# Altium PCB WaterDepthAnalysisBoardv2.PcbDoc
Units mm, origin at the board's own origin, x right, y up, seen from the top; angles counter-clockwise.
Board outline 23.24 x 30.86 mm, 4 copper layers (Top Layer, GND, PWR, Bottom Layer), stack 0.603 mm thick; 48 components, 35 nets, 159 pads, 52 vias.
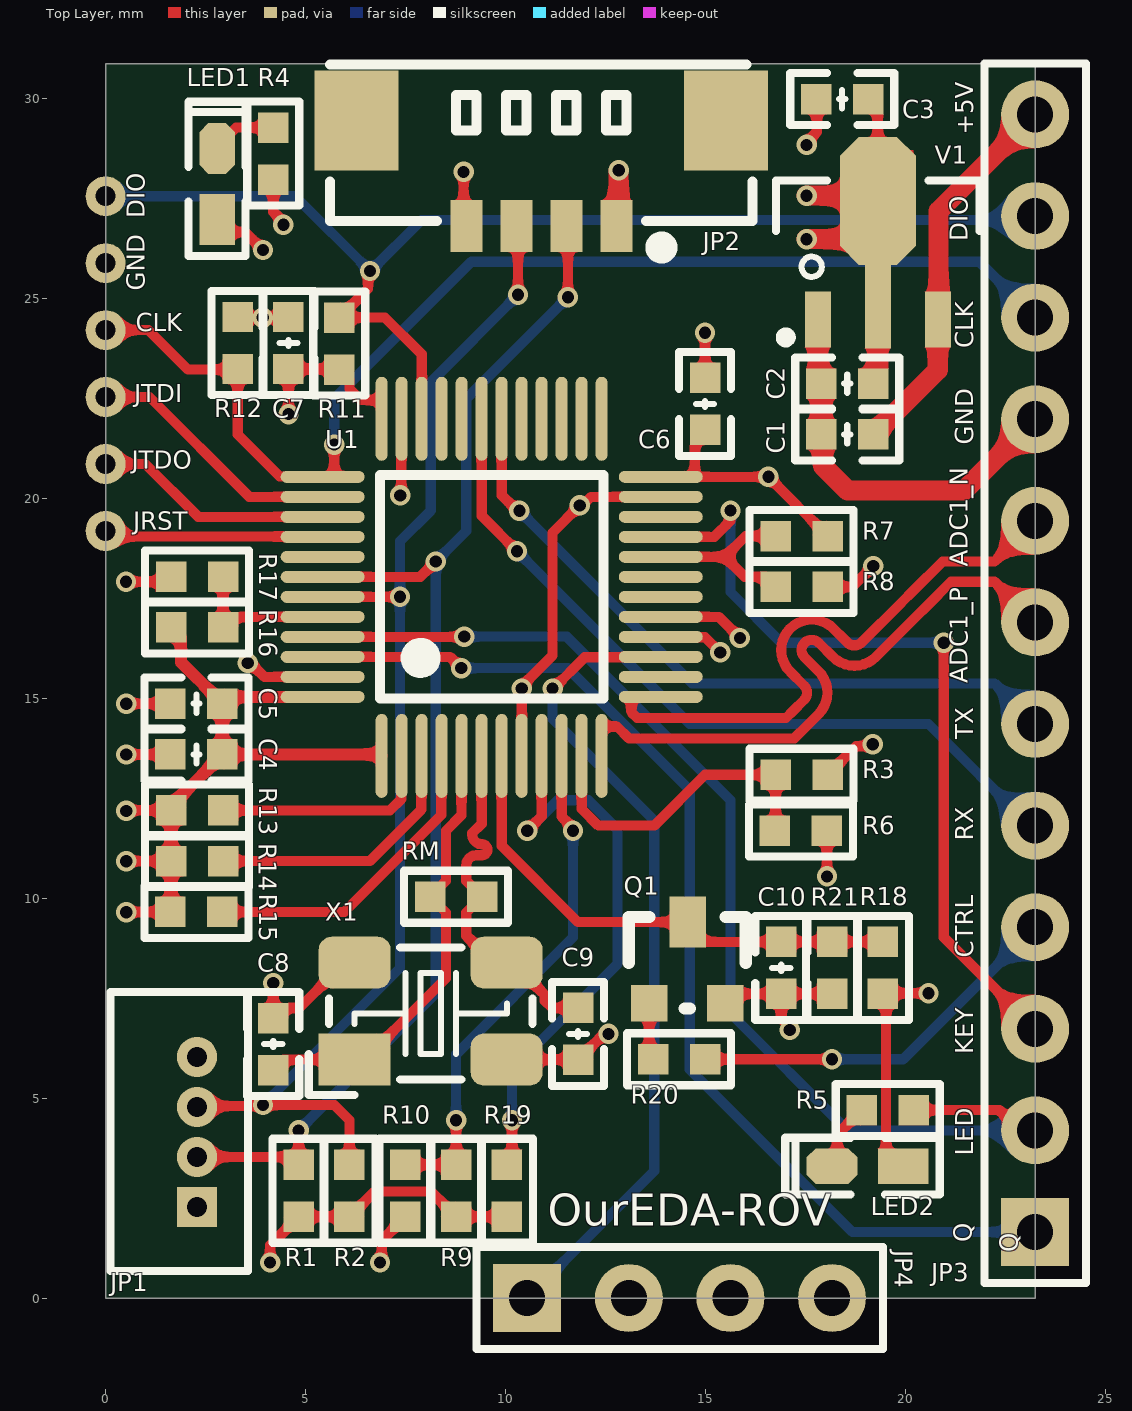
[diagram p0: Top Layer view]
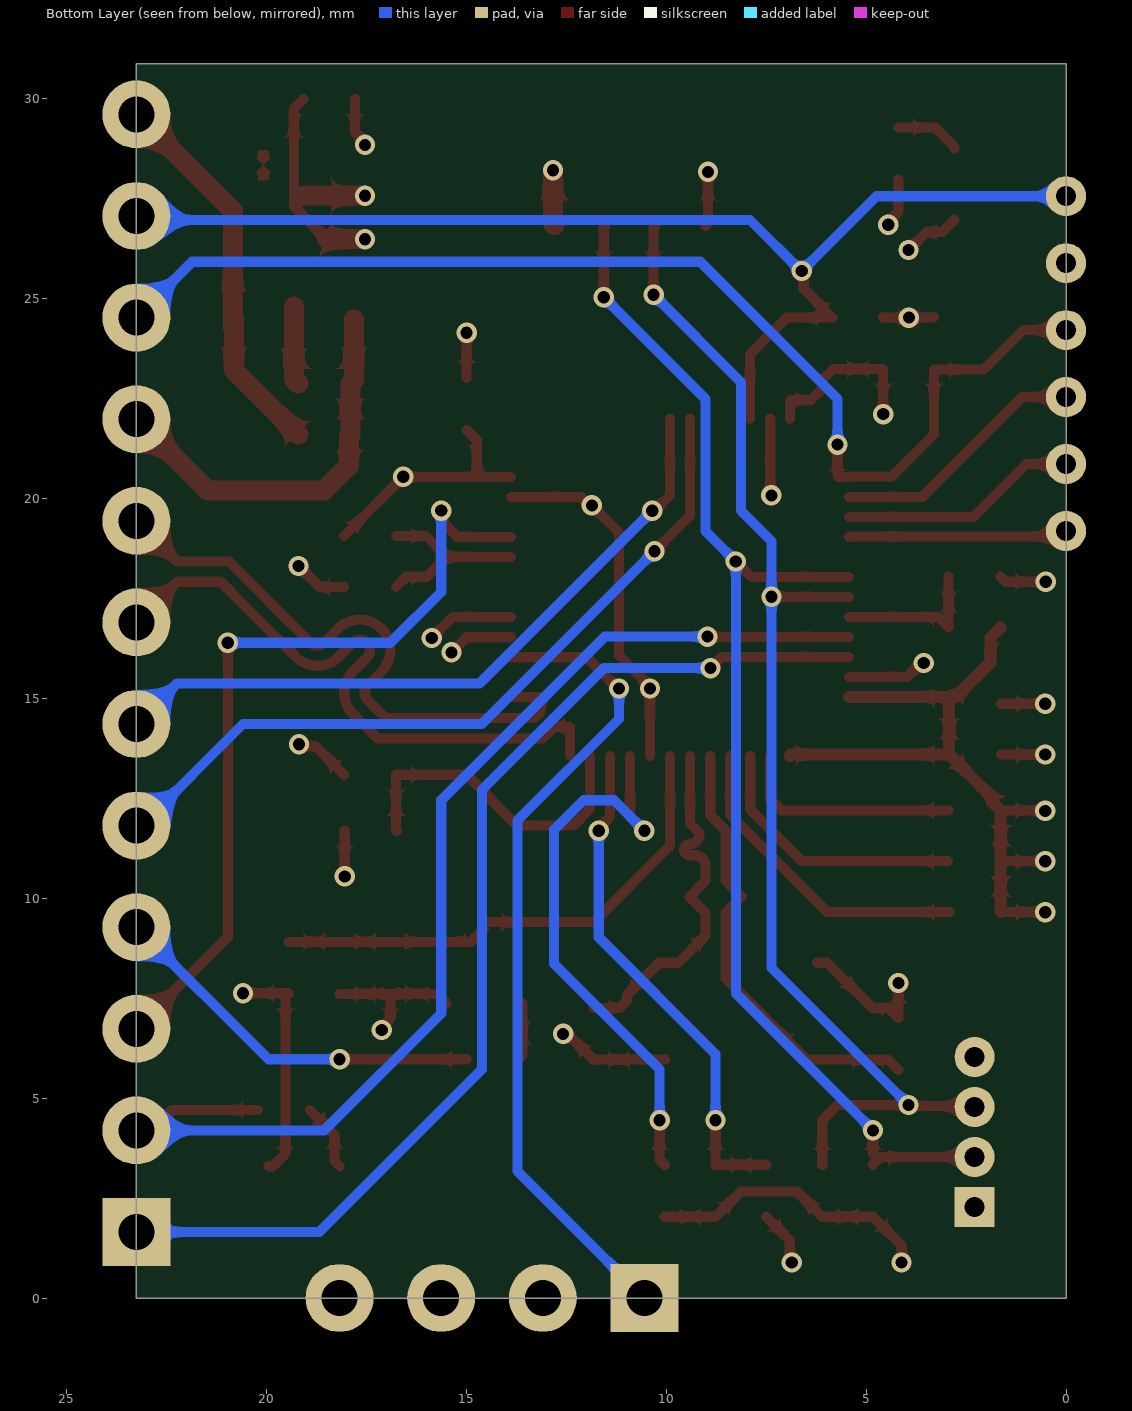
[diagram p1: Bottom Layer view, seen from below]
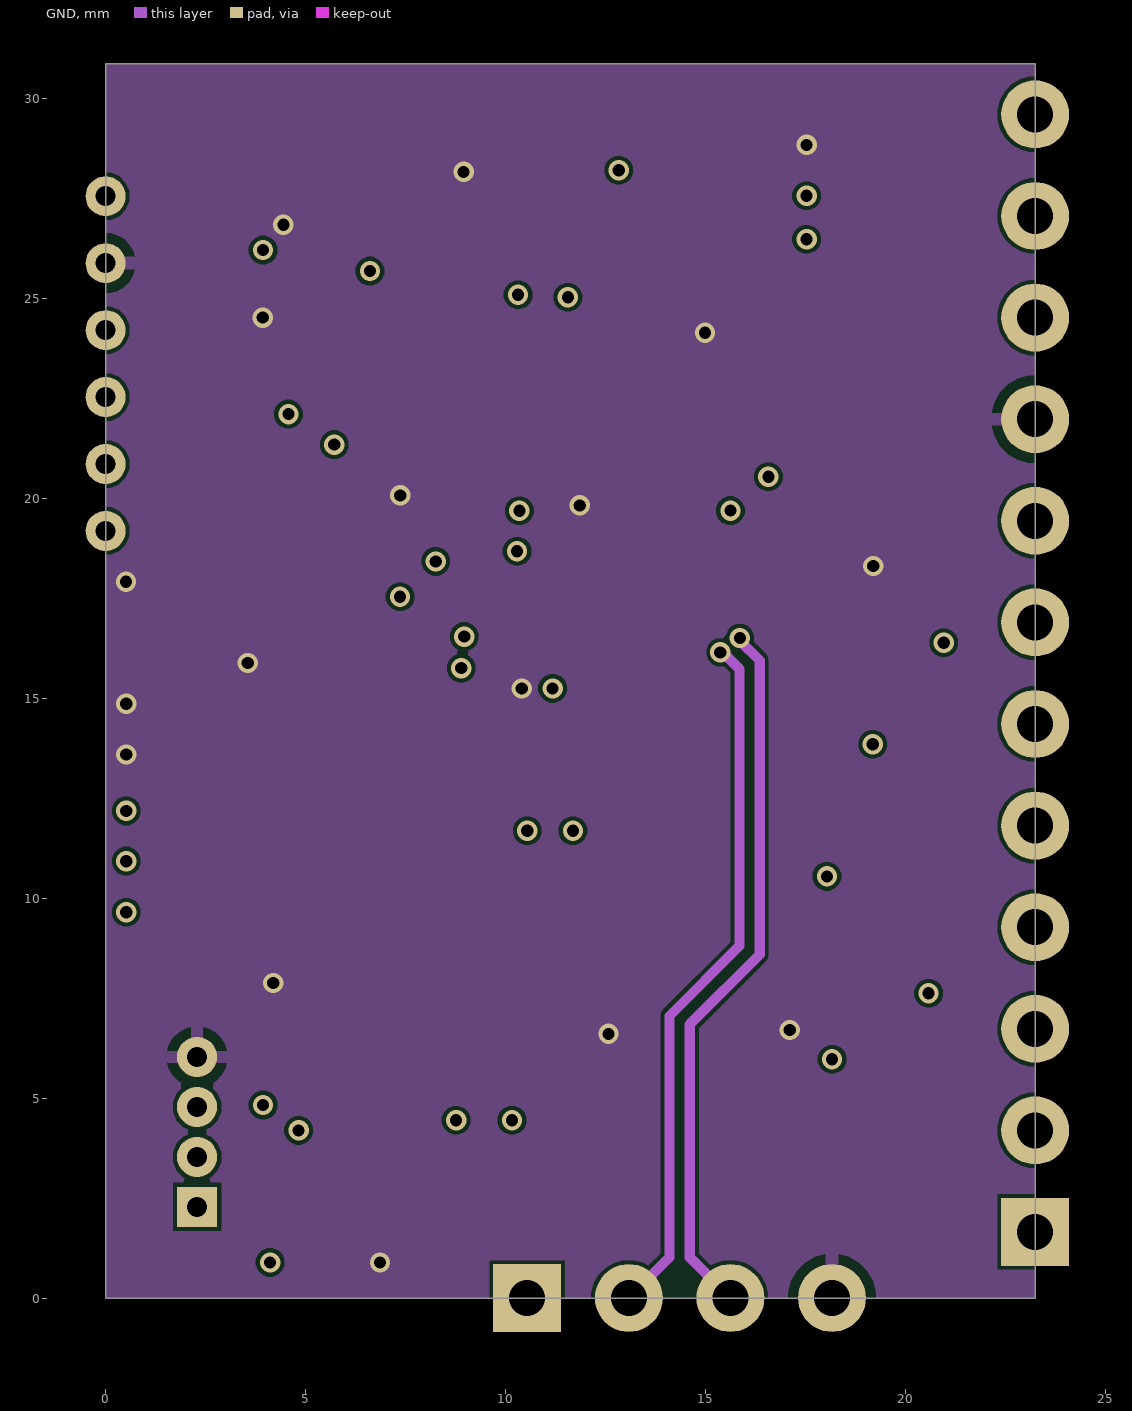
[diagram p2: GND]
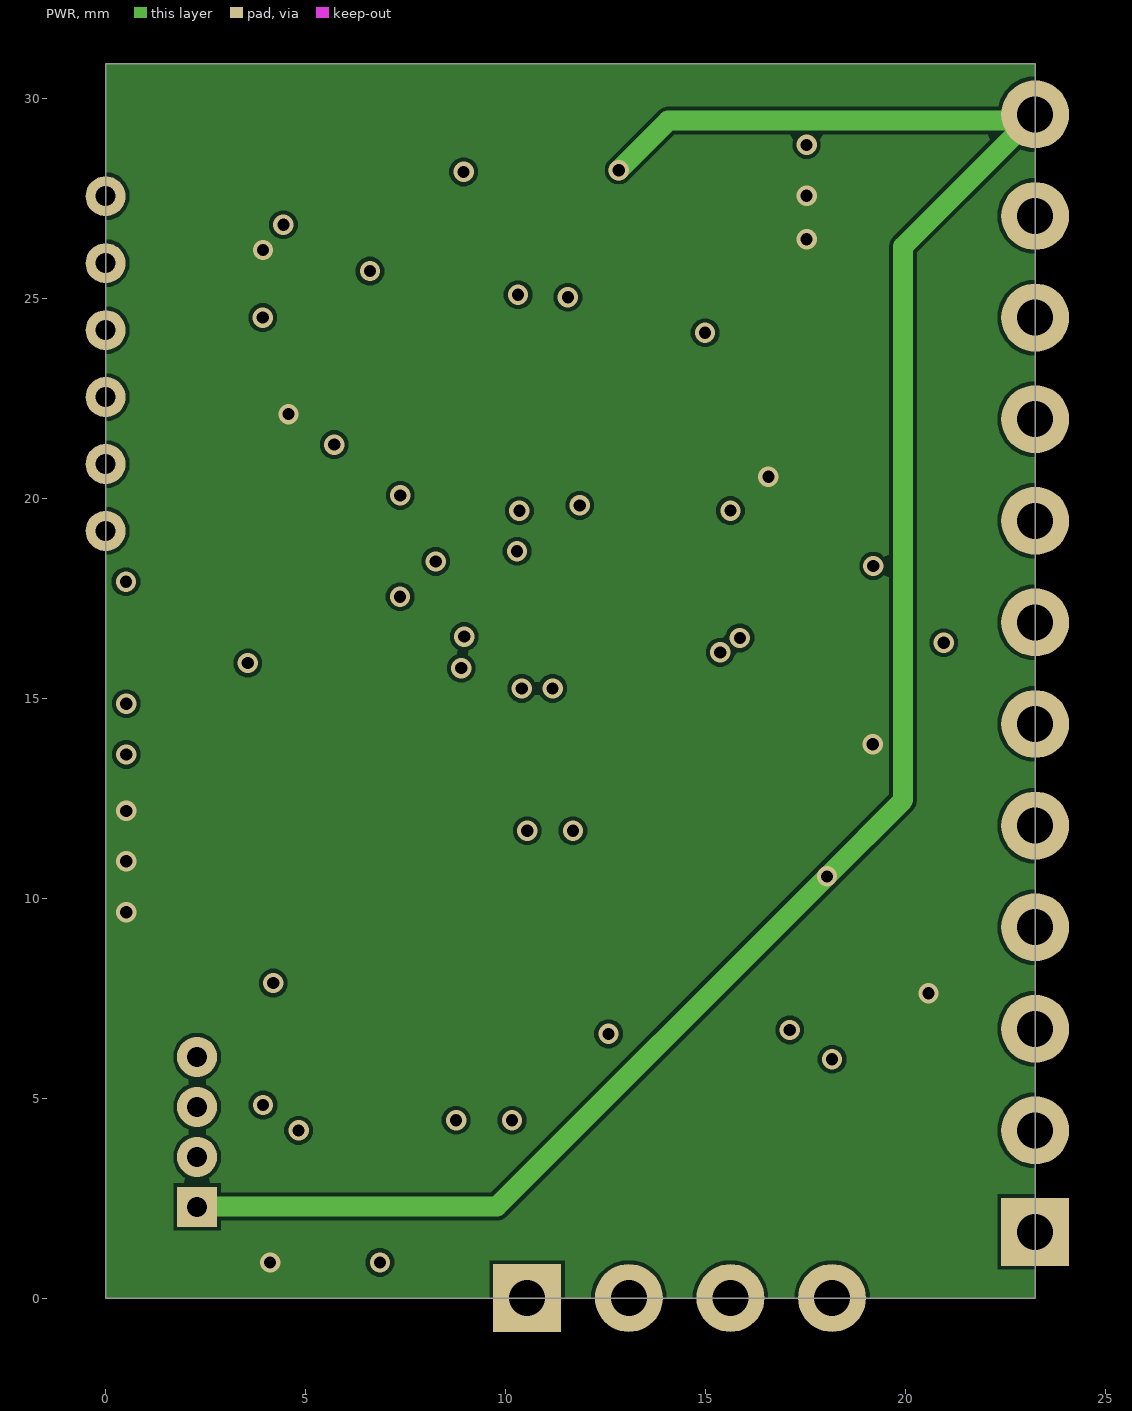
[diagram p3: PWR]

## Layer stack, top to bottom
Top Solder: solder mask 0.0102, Solder Resist, Dk 3.5
Top Layer: signal copper 0.0356
Dielectric 2: prepreg 0.0711, PP-006, Dk 4.1
GND: signal copper 0.035
Dielectric 1: dielectric 0.32, FR-4, Dk 4.8
PWR: signal copper 0.035
Dielectric 3: prepreg 0.0711, PP-006, Dk 4.1
Bottom Layer: signal copper 0.0356
Bottom Solder: solder mask 0.0102, Solder Resist, Dk 3.5

## Board outline
0,0 23.114,0 23.241,0 23.241,30.861 23.114,30.861 0,30.861

## Design rules (kind name [scope] priority, off if disabled: settings)
Clearance [All] p1: gap=0.1 ignorepadtopadclearanceinfootprint=FALSE
ComponentClearance [All] p1: gap=0.254 collisioncheckmode=3 verticalgap=0 showdistances=FALSE donotcheckwithout3dbody=TRUE
DiffPairsRouting DiffPair_DiffPairsRouting [InDifferentialPair ('OSC')] p1: maxlimit=0.254 minlimit=0.108 mostfreqgap=0.254 toplayer_minwidth=0.108 toplayer_maxwidth=0.381 toplayer_prefwidth=0.254 midlayer1_minwidth=0.108 midlayer1_maxwidth=0.381 midlayer1_prefwidth=0.254 midlayer2_minwidth=0.108 midlayer2_maxwidth=0.381 midlayer2_prefwidth=0.254 bottomlayer_minwidth=0.108 bottomlayer_maxwidth=0.381 bottomlayer_prefwidth=0.254 maxuncoupledlength=12.7
DiffPairsRouting DiffPair_DiffPairsRouting_1 [InDifferentialPair ('OSC')] p2: maxlimit=0.254 minlimit=0.254 mostfreqgap=0.254 toplayer_minwidth=0.381 toplayer_maxwidth=0.381 toplayer_prefwidth=0.381 midlayer1_minwidth=0.381 midlayer1_maxwidth=0.381 midlayer1_prefwidth=0.381 midlayer2_minwidth=0.381 midlayer2_maxwidth=0.381 midlayer2_prefwidth=0.381 bottomlayer_minwidth=0.381 bottomlayer_maxwidth=0.381 bottomlayer_prefwidth=0.381 maxuncoupledlength=12.7
DiffPairsRouting [All] p3: maxlimit=0.254 minlimit=0.1 mostfreqgap=0.254 toplayer_minwidth=0.254 toplayer_maxwidth=0.381 toplayer_prefwidth=0.254 midlayer1_minwidth=0.254 midlayer1_maxwidth=0.381 midlayer1_prefwidth=0.254 midlayer2_minwidth=0.254 midlayer2_maxwidth=0.381 midlayer2_prefwidth=0.254 bottomlayer_minwidth=0.254 bottomlayer_maxwidth=0.381 bottomlayer_prefwidth=0.254 maxuncoupledlength=12.7
MatchedLengths DiffPair_MatchedLengths [InDifferentialPair ('OSC')] p1: tolerance=25.4 checknetsindiffpair=FALSE checkdiffpairvsdiffpair=TRUE checkxsignals=TRUE checkothers=TRUE
MatchedLengths DiffPair_MatchedLengths_1 [InDifferentialPair ('OSC')] p2: tolerance=25.4 checknetsindiffpair=FALSE checkdiffpairvsdiffpair=TRUE checkxsignals=TRUE checkothers=TRUE
PolygonConnect [All] p1: thpad.connectstyle=Relief thpad.reliefconductorwidth=0.308 thpad.reliefentries=4 thpad.polygonreliefangle="90 Angle" thpad.airgapwidth=0.254 smdpad.connectstyle=Direct smdpad.reliefconductorwidth=0.254 smdpad.reliefentries=4 smdpad.polygonreliefangle="90 Angle" smdpad.airgapwidth=0.254 via.connectstyle=Direct via.reliefconductorwidth=0.254 via.reliefentries=4 via.polygonreliefangle="90 Angle" via.airgapwidth=0.254
RoutingVias [All] p1: holewidth=0.305 width=0.508 viastyle="Through Hole" minholewidth=0.305 minwidth=0.508 maxholewidth=0.305 maxwidth=0.508
SolderMaskExpansion [All] p1: expansion=0.102 istentingtop=FALSE
Width [All] p1: maxlimit=1 minlimit=0.254 preferedwidth=0.254
28 further rules are at their usual default settings.

## Classes and differential pairs
differential pair OSC: +OSC_P -OSC_N
differential pair SPI1: +SPI1_P -SPI1_N
differential pair ADC1: +ADC1_P -ADC1_N

## Components (designator, comment, footprint, x,y, rotation, side; value= is the part's Value field where it differs from the comment)
C1 "104" "C 0603_L" 18.542,21.59 r0 top
C2 "1uF" "C 0603_L" 18.542,22.86 r0 top
C3 "104" "C 0603_L" 18.415,29.972 r0 top
C4 "104" "C 0603_L" 2.271,13.589 r0 top
C5 "104" "C 0603_L" 2.271,14.859 r0 top
C6 "104" "C 0603_L" 14.986,22.352 r270 top
C7 "104" "C 0603_L" 4.572,23.876 r270 top
C8 "22uF" "C 0603_L" 4.191,6.35 r270 top
C9 "22uF" "C 0603_L" 11.811,6.604 r90 top
C10 "1uF" "C 0603_L" 16.891,8.255 r90 top
CLK "CS" R100 0,24.199 r0 top (schematic designator *3)
DIO "CS" R100 0,27.547 r0 top (schematic designator *4)
GND "CS" R100 0,25.873 r0 top (schematic designator *)
JP1 "HDR-1X4" "MX 1.25-LI-4P" 2.286,4.163 r90 top
JP2 "HDR-1X4" "MX 1.25-LS-4P" 10.878,29.058 r180 top
JP3 "HDR-1X12" HDR2.54-LI-12P 23.241,15.621 r90 top
JP4 "HDR-1X4" HDR2.54-LI-4P 14.351,0 r0 top
JRST "CS" R100 0,19.177 r0 top (schematic designator *5)
JTDI "CS" R100 0,22.525 r0 top (schematic designator *1)
JTDO "CS" R100 0,20.851 r0 top (schematic designator *2)
LED1 "红色" "LED 0603W" 2.794,27.85 r90 top
LED2 "红色" "LED 0603W" 19.05,3.302 r180 top
Q1 "NPN" SOT-23 14.478,8.255 r0 top
R1 "4.7K" "R 0603_L" 4.826,2.682 r270 top
R2 "4.7K" "R 0603_L" 6.096,2.682 r270 top
R3 "0Ω" "R 0603_L" 17.399,13.081 r0 top
R4 "3.3K" "R 0603_L" 4.191,28.612 r90 top
R5 "3.3K" "R 0603_L" 19.553,4.699 r180 top
R6 "0Ω" "R 0603_L" 17.384,11.684 r0 top
R7 "0Ω" "R 0603_L" 17.399,19.05 r180 top
R8 "0Ω" "R 0603_L" 17.399,17.78 r180 top
R9 "0Ω" "R 0603_L" 8.763,2.682 r270 top
R10 "0Ω" "R 0603_L" 7.493,2.682 r270 top
R11 "10K" "R 0603_L" 5.842,23.861 r90 top
R12 "10K" "R 0603_L" 3.302,23.876 r270 top
R13 "10K" "R 0603_L" 2.286,12.192 r0 top
R14 "10K" "R 0603_L" 2.286,10.922 r0 top
R15 "10K" "R 0603_L" 2.271,9.652 r0 top
R16 "0Ω" "R 0603_L" 2.286,16.764 r0 top
R17 "0Ω" "R 0603_L" 2.286,18.034 r0 top
R18 "10K" "R 0603_L" 19.431,8.255 r90 top
R19 "0Ω" "R 0603_L" 10.033,2.682 r270 top
R20 "100Ω" "R 0603_L" 14.336,5.969 r0 top
R21 "100K" "R 0603_L" 18.161,8.255 r270 top
RM "1M" "R 0603_L" 8.763,10.033 r180 top (schematic designator R?)
U1 "STM32F103C8T6" "LQFP48 7X7" 9.652,17.78 r0 top
V1 "AMS1117-3V3" SOT89_N 19.304,26.416 r0 top
X1 "8M" "OSC 5032-4P" 8.128,7.112 r0 top

## Footprints (in the part's own frame and the unit in brackets; to place one, negate y for a bottom-side part, rotate by r counter-clockwise, add the part's x,y. Pads: shape width x height; smd on the part's side, far side on the other; paste and mask are expansions set on the pad)
"C 0603_L" [mil] "无极性贴片电容"
  rect 30x30 smd: 1(-25.59,0) 2(25.59,0)
  silkscreen extent -51,-26 51,26, body extent -31,-16 31,16, height 32
HDR2.54-LI-4P [mm] "排针，4脚"
  rect 1.7x1.7 hole 0.9: 1(-3.81,0)
  round 1.7 hole 0.9: 2(-1.27,0) 3(1.27,0) 4(3.81,0)
  silkscreen extent -5.08,-1.27 5.08,1.27, body extent -5.08,-1.27 5.08,1.27, height 8.5
HDR2.54-LI-12P [mm] "排针，13脚"
  rect 1.7x1.7 hole 0.9: 1(-13.97,0)
  round 1.7 hole 0.9: 2(-11.43,0) 3(-8.89,0) 4(-6.35,0) 5(-3.81,0) 6(-1.27,0) 7(1.27,0) 8(3.81,0) 9(6.35,0) 10(8.89,0) 11(11.43,0) 12(13.97,0)
  silkscreen extent -15.24,-1.27 15.24,1.27, body extent -15.24,-1.27 15.24,1.27, height 8.5
"LED 0603W" [mil] "白色0603LED"
  rect 50x35 smd: 1(-35,0.26)
  oct 50x35 smd: 2(35,0.26)
  silkscreen extent -71,-28 81,28, body extent -31,-16 32,16, height 18
"LQFP48 7X7" [mm]
  oval 0.3x2.1 smd: 1(-2.75,-4.227) 2(-2.25,-4.227) 3(-1.75,-4.227) 4(-1.25,-4.227) 5(-0.75,-4.227) 6(-0.25,-4.227) 7(0.25,-4.227) 8(0.75,-4.227) 9(1.25,-4.227) 10(1.75,-4.227) 11(2.25,-4.227) 12(2.75,-4.227) 25(2.75,4.202) 26(2.25,4.202) 27(1.75,4.202) 28(1.25,4.202) 29(0.75,4.202) 30(0.25,4.202) 31(-0.25,4.202) 32(-0.75,4.202) 33(-1.25,4.202) 34(-1.75,4.202) 35(-2.25,4.202) 36(-2.75,4.202)
  oval 2.1x0.3 smd: 13(4.227,-2.75) 14(4.227,-2.25) 15(4.227,-1.75) 16(4.227,-1.25) 17(4.227,-0.75) 18(4.227,-0.25) 19(4.227,0.25) 20(4.227,0.75) 21(4.227,1.25) 22(4.227,1.75) 23(4.227,2.25) 24(4.227,2.75) 37(-4.227,2.75) 38(-4.227,2.25) 39(-4.227,1.75) 40(-4.227,1.25) 41(-4.227,0.75) 42(-4.227,0.25) 43(-4.227,-0.25) 44(-4.227,-0.75) 45(-4.227,-1.25) 46(-4.227,-1.75) 47(-4.227,-2.25) 48(-4.227,-2.75)
  silkscreen extent -2.79,-2.79 2.79,2.79, body extent -4.51,-4.5 4.5,4.5, height 1.45
"MX 1.25-LI-4P" [mm] "长：6.75mm，宽：3.2mm，高：4.2mm"
  rect 1x1 hole 0.5: 1(-1.885,0)
  round 1 hole 0.5: 2(-0.635,0) 3(0.615,0) 4(1.865,0)
  silkscreen extent -3.49,-1.27 3.49,2.16, body extent -3.37,-1.15 3.37,2.05, height 4.25
"MX 1.25-LS-4P" [mm] "长：9.75m，宽：3.7mm，高：4.7mm"
  rect 2.1x2.5 smd: 0(-4.632,-0.381) 0(4.604,-0.381)
  rect 0.8x1.3 smd: 1(-1.889,2.261) 2(-0.639,2.261) 3(0.611,2.261) 4(1.861,2.261)
  silkscreen extent -5.29,-1.78 5.27,2.99, body extent -5.07,-1.6 5.07,2.5, height 4.7
"OSC 5032-4P" [mm] "5mm*3.2mm*0.8mm(长*宽*高)"
  rect 1.8x1.3 smd: 1(-1.9,-1.15)
  rrect50% 1.8x1.3 smd: 2(1.9,-1.15) 3(1.9,1.272) 4(-1.9,1.272)
  silkscreen extent -3.05,-2.03 2.54,1.65, body extent -2.5,-1.6 2.5,1.6, height 0.86
R100 [mm] "R100探针焊盘"
  round 1 hole 0.5: 1(0,0)
"R 0603_L" [mil] "1/10W贴片电阻"
  rect 30x30 smd: 1(-25.59,0) 2(25.59,0)
  silkscreen extent -51,-26 51,26, body extent -31,-16 32,16, height 16
SOT89_N [mm] "4.6x4.3x1.6mm(长宽高)"
  rect 0.65x1.4 smd: 1(-1.5,-1.952) 3(1.5,-1.952)
  rect 0.65x2.1 smd: 2(0,-1.626)
  oct 1.9x3.2 smd: 2(0,1.016)
  silkscreen extent -2.54,-2.52 2.54,1.52, body extent -2.3,-2.4 2.3,1.9, height 1.6
SOT-23 [mil]
  rect 36x36 smd: B(-35,-35) E(40,-35)
  rect 36x50 smd: C(3,45)
  silkscreen extent -55,-40 60,50, body extent -54,-48 60,62, height 47

## Part data
C1 C2 C3 C4 C5 C6 C7 C8 C9 C10: library part C, "无极性贴片电容", BOM名称=无极性贴片电容, 学习资源=www.ooocke.com, 版权归属=源创客
CLK DIO GND JRST JTDI JTDO: "探针焊盘", BOM名称=探针焊盘, 学习资源=www.ooocke.com, 版权归属=源创客
JP1 JP2 JP4: library part "Header 4", "4P接插件", BOM名称=4P接插件, 学习资源=www.ooocke.com, 版权归属=源创客
JP3: library part "Header 12", "12P接插件", BOM名称=12P接插件, 学习资源=www.ooocke.com, 版权归属=源创客
LED1 LED2: library part LED-SMD, "贴片LED", BOM名称=贴片LED, 学习资源=www.ooocke.com, 版权归属=源创客
Q1: "NPN三极管"
R1 R2 R3 R4 R5 R6 R7 R8 R9 R10 R11 R12 R13 R14 R15 R16 R17 R18 R19 R20 R21 RM: library part R, "贴片电阻", BOM名称=贴片电阻, 学习资源=www.ooocke.com, 版权归属=源创客
V1: library part AMS1117, "三端稳压芯片", BOM名称=稳压芯片, 学习资源=www.ooocke.com, 版权归属=源创客
X1: library part XTAL-4P, "4脚无源晶振", BOM名称=4脚无源晶振, 学习资源=www.ooocke.com, 版权归属=源创客

## Via types
v1: diameter 0.508, hole 0.305, Top Layer to Bottom Layer, tented both sides, 51 vias
v2: diameter 0.508, hole 0.305, Top Layer to Bottom Layer, 1 vias

## Nets (pads, with @x,y where several pads share a name; then routed paths per layer and width w, separated by ;. In a path a pad name is that pad's centre, name@x,y a point inside that pad or via, vN(x,y) a via of type N, cw(c..) or ccw(c..) an arc to the next point about the centre after c; other vN are vias at no path point)
3V3: C2.2 C3.2 C4.2 C5.2 C6.2 C7.2 LED1.1 LED2.1 R1.2 R2.2 R3.2 R7.1 R9.2 R11.1 R13.1 R14.1 R15.1 R16.1 R18.1 R19.2 U1.1 U1.24 U1.36 U1.48 V1.2 | length 52.9
  Top Layer w0.254: v1@0.508,9.652 R15.1 ; v1@0.508,10.922 R14.1 ; v1@0.508,12.192 R13.1 ; LED1.1 3.101,26.648 3.488,26.648 v1(3.937,26.199) ; v1@4.113,0.938 4.113,1.319 R1.2 R2.2 6.731,2.667 8.128,2.667 R9.2 R19.2 ; v1(4.572,22.098) C7.2 5.827,23.226 6.096,22.957 6.096,22.733 6.38,22.449 6.881,22.449 6.902,22.428 U1.36 ; U1.24 U1.24@14.711,20.53 ; C6.2 14.732,21.448 14.732,20.551 U1.24@14.711,20.53 ; R3.2 18.762,13.794 19.128,13.794 v1(19.177,13.843) ; R7.1 v1(16.569,20.53) U1.24@14.711,20.53 ; V1.2@18.481,26.47 19.304,27.293 V1.2@19.038,27.559 ; C3.2 19.304,29.733 V1.2@19.304,27.432 ; R18.1 R18.1@19.446,7.62 ; LED2.1 19.829,3.295 19.511,3.613 19.511,7.573 19.558,7.62 v1(20.574,7.62)
  Top Layer w0.3: R15.1 1.636,9.667 R14.1 R13.1 1.867,12.423 1.867,12.535 C4.2 ; R16.1 1.89,16.51 1.89,15.89 2.75,15.03 C5.2@3.092,15.03 ; U1.48 C5.2@3.092,15.03 ; U1.1 6.902,13.568 6.881,13.589 C4.2 ; C4.2 C5.2 C5.2@3.092,15.03
  Top Layer w0.5: v1(17.526,26.47) V1.2@18.481,26.47 ; v1(17.526,27.559) V1.2@19.038,27.559 ; C2.2 19.304,22.972 V1.2@19.304,24.79
  other v1: 4.113,0.889 0.518,9.647 0.518,10.922 0.518,12.178
+5: C1.2 JP1.1 JP2.1 JP3.12 R6.2 V1.3 | length 63.6
  Top Layer w0.254: JP2.1 JP2.1@12.793,26.823 ; v1(18.034,10.541) R6.2
  Top Layer w0.5: JP2.1@12.793,26.823 12.825,26.855 12.825,28.192 v1(12.827,28.194) ; C1.2 20.804,23.202 V1.3 ; V1.3@20.828,24.257 20.828,27.178 JP3.12
  PWR w0.5: JP1.1@2.286,2.286 9.779,2.286 v1(18.034,10.541) 19.939,12.446 19.939,26.289 JP3.12@23.083,29.433 ; v1(12.827,28.194) 14.066,29.433 JP3.12@23.083,29.433 ; JP3.12 JP3.12@23.083,29.433
ADC1_1: R3.1 R6.1 U1.11 | length 8.3
  Top Layer w0.254: U1.11 11.902,12.228 12.319,11.811 13.716,11.811 14.986,13.081 R3.1 16.749,11.699 R6.1
ADC1_N: JP3.8 U1.13 | length 15.5
  Top Layer w0.254: U1.13 13.165,15.03 13.143,15.009 13.143,14.648 13.292,14.499 17.009,14.499 17.193,14.684 17.462,14.952 ; 17.461,15.314 17.115,15.66 cw(c17.653,16.2) 17.114,16.738 cw(c17.653,16.2) 18.105,16.813 18.117,16.813 18.54,16.391 ccw(c18.72,16.569) 18.9,16.39 19.908,17.398 ; 17.462,14.952 ccw(c17.283,15.133) 17.462,15.313 ; 19.909,17.399 20.178,17.668 20.925,18.415 22.225,18.415 JP3.8
ADC1_P: JP3.7 U1.12 | length 15.9
  Top Layer w0.254: U1.12 12.402,14.267 12.423,14.289 12.784,14.289 13.082,13.991 17.219,13.991 17.553,14.324 17.822,14.593 ccw(c17.283,15.133) 17.897,15.585 17.897,15.597 17.822,15.671 ; 17.473,16.379 ccw(c17.653,16.2) 17.473,16.021 17.822,15.672 ; 17.474,16.38 cw(c17.653,16.2) 17.833,16.378 18.181,16.031 ccw(c18.72,16.569) 19.259,16.031 20.267,17.039 20.537,17.309 21.135,17.907 22.225,17.907 JP3.7
BOOT0: R16.2 R17.2 U1.44 | length 3.9
  Top Layer w0.254: R17.2 R16.2 3.202,17.03 U1.44
Ctrl: JP3.4 R20.2 | length 9.6
  Top Layer w0.254: R20.2 v1(18.161,5.969)
  Bottom Layer w0.254: v1(18.161,5.969) 19.939,5.969 JP3.4
GND: C1.1 C2.1 C3.1 C4.1 C5.1 C6.1 C7.1 C8.1 C9.1 C10.1 GND.1 JP1.4 JP2.4 JP3.9 JP4.4 Q1.E R4.1 R8.1 R10.2 R12.1 R17.1 R21.2 U1.8 U1.23 U1.35 U1.47 V1.1 X1.2 X1.4 | length 45.4
  Top Layer w0.254: v1@0.508,13.589 v1(0.518,13.589) C4.1 ; v1@0.508,14.859 v1(0.518,14.859) C5.1 ; v1(0.508,17.907) 1.509,17.907 R17.1 ; R12.1 3.317,24.511 v1(3.929,24.511) 4.557,24.511 C7.1 ; v1(3.556,15.875) 3.625,15.875 3.97,15.53 U1.47 ; v1(4.191,7.874) C8.1 4.445,7.254 4.848,7.254 5.978,8.384 X1.4 ; R4.1 4.191,27.156 4.445,26.902 v1(4.445,26.834) ; v1(6.858,0.889) 6.907,0.938 6.907,1.446 R10.2 ; v1(7.366,20.066) 7.393,20.093 7.393,21.973 U1.35 ; v1(8.951,28.154) 8.951,26.863 JP2.4 ; X1.2 11.803,5.962 C9.1 12.413,6.555 12.524,6.555 v1(12.573,6.604) ; U1.8 10.402,15.228 v1@10.414,15.24 ; v1@10.403,15.267 10.403,15.294 11.176,16.068 11.176,19.139 v1(11.854,19.817) ; v1@11.835,19.836 11.942,19.836 12.136,20.03 U1.23 ; C6.1 v1(14.986,24.13) ; Q1.E 15.733,7.605 R21.2 ; C10.1 16.891,6.985 v2@17.145,6.731 ; v1(17.526,28.829) 17.526,28.898 17.78,29.152 17.78,29.957 C3.1 ; R8.1 18.668,17.78 v1(19.19,18.302)
  Top Layer w0.5: V1.1 17.804,22.948 C2.1 C1.1 17.93,21.552 17.93,20.805 18.542,20.193 21.463,20.193 JP3.9
  other v1: 10.403,15.24
  other v2: 17.106,6.702
JRST: JRST.1 U1.40 | length 5.5
  Top Layer w0.254: JRST.1 0.138,19.039 5.416,19.039 U1.40
JTDI: JTDI.1 U1.38 | length 6.5
  Top Layer w0.254: JTDI.1 1.097,22.525 3.592,20.03 U1.38
JTDO: JTDO.1 U1.39 | length 6
  Top Layer w0.254: JTDO.1 0.993,20.851 2.314,19.53 U1.39
KEY: JP3.3 U1.21 | length 20.7
  Top Layer w0.254: U1.21 15.22,19.03 15.621,19.431 v1(15.621,19.685) ; v1(20.955,16.383) 20.955,9.017 JP3.3
  Bottom Layer w0.254: v1(15.621,19.685) 15.621,17.653 16.891,16.383 v1(20.955,16.383)
LED: JP3.2 R5.1 U1.45 | length 29.4
  Top Layer w0.254: U1.45 8.997,16.53 v1@9.017,16.51 ; R5.1 22.342,4.699 22.85,4.191 JP3.2
  Bottom Layer w0.254: v1(8.965,16.536) 11.531,16.536 15.621,12.446 15.621,7.112 18.542,4.191 JP3.2
NetLED1_2: LED1.2 R4.2 | length 1.6
  Top Layer w0.254: LED1.2 2.787,28.781 3.268,29.262 R4.2
NetLED2_2: LED2.2 R5.2 | length 1.7
  Top Layer w0.254: LED2.2 18.29,3.425 18.29,4.086 R5.2
NetQ1_B: Q1.B R20.1 | length 1.4
  Top Layer w0.254: Q1.B 13.589,6.066 R20.1
NetR7_2: R7.2 R8.2 U1.20 | length 4.7
  Top Layer w0.254: U1.20 15.482,18.53 ; R8.2 16.495,18.034 15.978,18.034 15.482,18.53 ; R7.2 16.002,19.05 15.482,18.53
NetR9_1: R9.1 R10.1 U1.10 | length 12.8
  Top Layer w0.254: R10.1 R9.1 v1(8.763,4.445) ; U1.10 11.402,12.035 11.684,11.753 v1(11.684,11.684)
  Bottom Layer w0.254: v1(8.763,4.445) 8.763,6.096 11.684,9.017 v1(11.684,11.684)
NetR13_2: R13.2 U1.2 | length 5.7
  Top Layer w0.254: R13.2 7.112,12.192 7.393,12.473 7.393,13.544 U1.2
NetR14_2: R14.2 U1.3 | length 6.8
  Top Layer w0.254: R14.2@2.951,10.922 6.604,10.922 7.893,12.211 7.893,13.544 U1.3
NetR15_2: R15.2 U1.4 | length 8
  Top Layer w0.254: R15.2 5.969,9.652 8.393,12.076 8.393,13.544 U1.4
NetR19_1: R19.1 U1.9 | length 14.4
  Top Layer w0.254: R19.1 10.16,3.459 v1(10.16,4.445) ; v1(10.541,11.684) 10.902,12.045 U1.9
  Bottom Layer w0.254: v1(10.16,4.445) 10.16,5.715 12.8,8.355 12.8,11.711 12.065,12.446 11.303,12.446 v1(10.541,11.684)
NRST: C10.2 Q1.C R18.2 R21.1 U1.7 | length 12.9
  Top Layer w0.254: U1.7 9.902,11.307 11.811,9.398 Q1.C 14.554,9.235 14.884,8.905 C10.2 R18.2
OSC_N: C8.2 RM.2 U1.5 X1.1 | length 11.3
  Top Layer w0.254: C8.2 4.453,5.962 X1.1 6.478,5.962 8.509,7.993 8.509,9.637 RM.2 8.509,10.429 8.509,11.684 8.894,12.069 8.894,13.545 U1.5
OSC_P: C9.2 RM.1 U1.6 X1.3 | length 9.1
  Top Layer w0.254: U1.6 9.402,12.573 9.402,11.859 9.162,11.618 ccw(c9.415,11.598) 9.411,11.344 cw(c9.411,11.207) 9.411,11.07 9.271,11.07 ccw(c9.271,10.816) 9.017,10.816 9.017,10.429 9.394,10.053 RM.1 9.017,9.637 9.017,9.056 9.689,8.384 X1.3 10.171,8.384 10.978,7.576 10.978,7.434 11.158,7.254 C9.2
Q: JP3.1 U1.46 | length 27.9
  Top Layer w0.254: U1.46 8.608,16.03 v1(8.89,15.748)
  Bottom Layer w0.254: v1(8.89,15.748) 11.557,15.748 14.605,12.7 14.605,5.715 18.669,1.651 JP3.1
SPI1_N: JP4.2 U1.16 | length 19.2
  Top Layer w0.254: U1.16 13.888,16.521 14.985,16.521 v1(15.364,16.142)
  GND w0.254: JP4.2 14.097,1.016 14.097,7.052 15.845,8.8 15.845,15.728 15.431,16.142 v1(15.364,16.142)
SPI1_P: JP4.3 U1.17 | length 20
  Top Layer w0.254: U1.17 15.329,17.03 v1(15.856,16.503)
  GND w0.254: JP4.3 14.605,1.016 14.605,6.841 16.353,8.59 16.353,15.939 15.856,16.436 v1(15.856,16.503)
SPI1_SCLK: JP4.1 U1.15 | length 20.6
  Top Layer w0.254: v1(11.176,15.24) 11.199,15.24 11.98,16.021 13.87,16.021 U1.15
  Bottom Layer w0.254: JP4.1 13.716,3.175 13.716,11.938 11.176,14.478 v1(11.176,15.24)
SWCLK: CLK.1 JP3.10 R12.2 U1.37 | length 29.6
  Top Layer w0.254: CLK.1 1.074,24.199 2.062,23.211 3.302,23.211 3.302,21.59 4.353,20.539 5.416,20.539 U1.37 5.694,20.53 5.715,20.551 v1(5.715,21.336)
  Bottom Layer w0.254: v1(5.715,21.336) 5.715,22.479 9.144,25.908 21.844,25.908 JP3.10
SWDIO: DIO.1 JP3.11 R11.2 U1.34 | length 30.1
  Top Layer w0.254: v1(6.609,25.674) 6.561,25.625 6.561,25.23 R11.2 6.985,24.511 7.902,23.594 U1.34
  Bottom Layer w0.254: DIO.1 4.736,27.547 v1(6.609,25.674) ; v1@6.604,25.654 7.901,26.951 23.141,26.951 JP3.11
WD_SCL: JP1.2 JP2.2 R1.1 U1.42 | length 31.8
  Top Layer w0.254: JP1.2 R1.1@4.63,3.528 ; R1.1 R1.1@4.63,3.528 ; v1(4.826,4.191) 4.826,3.586 4.768,3.528 R1.1@4.63,3.528 ; U1.42 7.87,18.03 v1(8.255,18.415) ; JP2.2 11.557,26.757 v1(11.557,25.019)
  Bottom Layer w0.254: v1(4.826,4.191) 8.255,7.62 v1(8.255,18.415) 9.017,19.177 9.017,22.479 v1(11.557,25.019)
WD_SDA: JP1.3 JP2.3 R2.1 U1.43 | length 31.7
  Top Layer w0.254: JP1.3 2.31,4.802 3.913,4.802 v1(3.937,4.826) 5.715,4.826 6.096,4.445 R2.1 ; U1.43 v1(7.362,17.53) v1@7.366,17.526 ; JP2.3 10.311,26.753 v1(10.311,25.082)
  Bottom Layer w0.254: v1(3.937,4.826) 7.362,8.251 v1(7.362,17.53) 7.362,18.919 8.128,19.685 8.128,22.899 v1(10.311,25.082)
WD_UART_RX: JP3.5 U1.31 | length 19.5
  Top Layer w0.254: U1.31 9.402,19.554 v1(10.287,18.669)
  Bottom Layer w0.254: v1(10.287,18.669) 14.605,14.351 20.574,14.351 23.114,11.811 JP3.5
WD_UART_TX: JP3.6 U1.30 | length 17.6
  Top Layer w0.254: U1.30 9.902,20.07 v1@10.287,19.685
  Bottom Layer w0.254: v1(10.344,19.684) 14.661,15.367 22.225,15.367 JP3.6
pads on no net: JP2.0 U1.14 U1.18 U1.19 U1.22 U1.25 U1.26 U1.27 U1.28 U1.29 U1.32 U1.33 U1.41

## Polygon pours and split planes (outlines as drawn)
GND on GND "GND_L02_P000" (solid, pour order 0): 0,30.861 0,0 23.241,0 23.241,30.861
3V3 on PWR "3V3_L03_P001" (solid, pour order 1): 0,0 23.241,0 23.241,30.861 0,30.861

## Silkscreen, mask and mechanical layers (free items; w line width, h text height)
Top Overlay:
  text "+5V" at 21.836,29.083 h0.76 r90
  text "DIO" at 21.709,26.416 h0.76 r90
  text "CLK" at 21.836,23.749 h0.76 r90
  text "GND" at 21.836,21.336 h0.76 r90
  text "ADC1_N" at 21.709,18.288 h0.76 r90
  text "ADC1_P" at 21.709,15.367 h0.76 r90
  text "TX" at 21.844,13.97 h0.76 r90
  text "RX" at 21.844,11.43 h0.76 r90
  text "CTRL" at 21.836,8.509 h0.76 r90
  text "KEY" at 21.844,6.096 h0.76 r90
  text "LED" at 21.844,3.556 h0.76 r90
  text "OurEDA-ROV" at 11.049,1.539 h1.38
  text "Q" at 21.806,1.397 h0.76 r90
  text "Q" at 22.949,1.143 h0.76 r90
Mechanical 1:
  lines w0.254: 23.114,30.861 0,30.861 0,11.303 0,0 23.241,0 23.241,11.303 23.241,30.861